# Altium PCB PCB.PcbDoc (part 2 of 3) (continued)
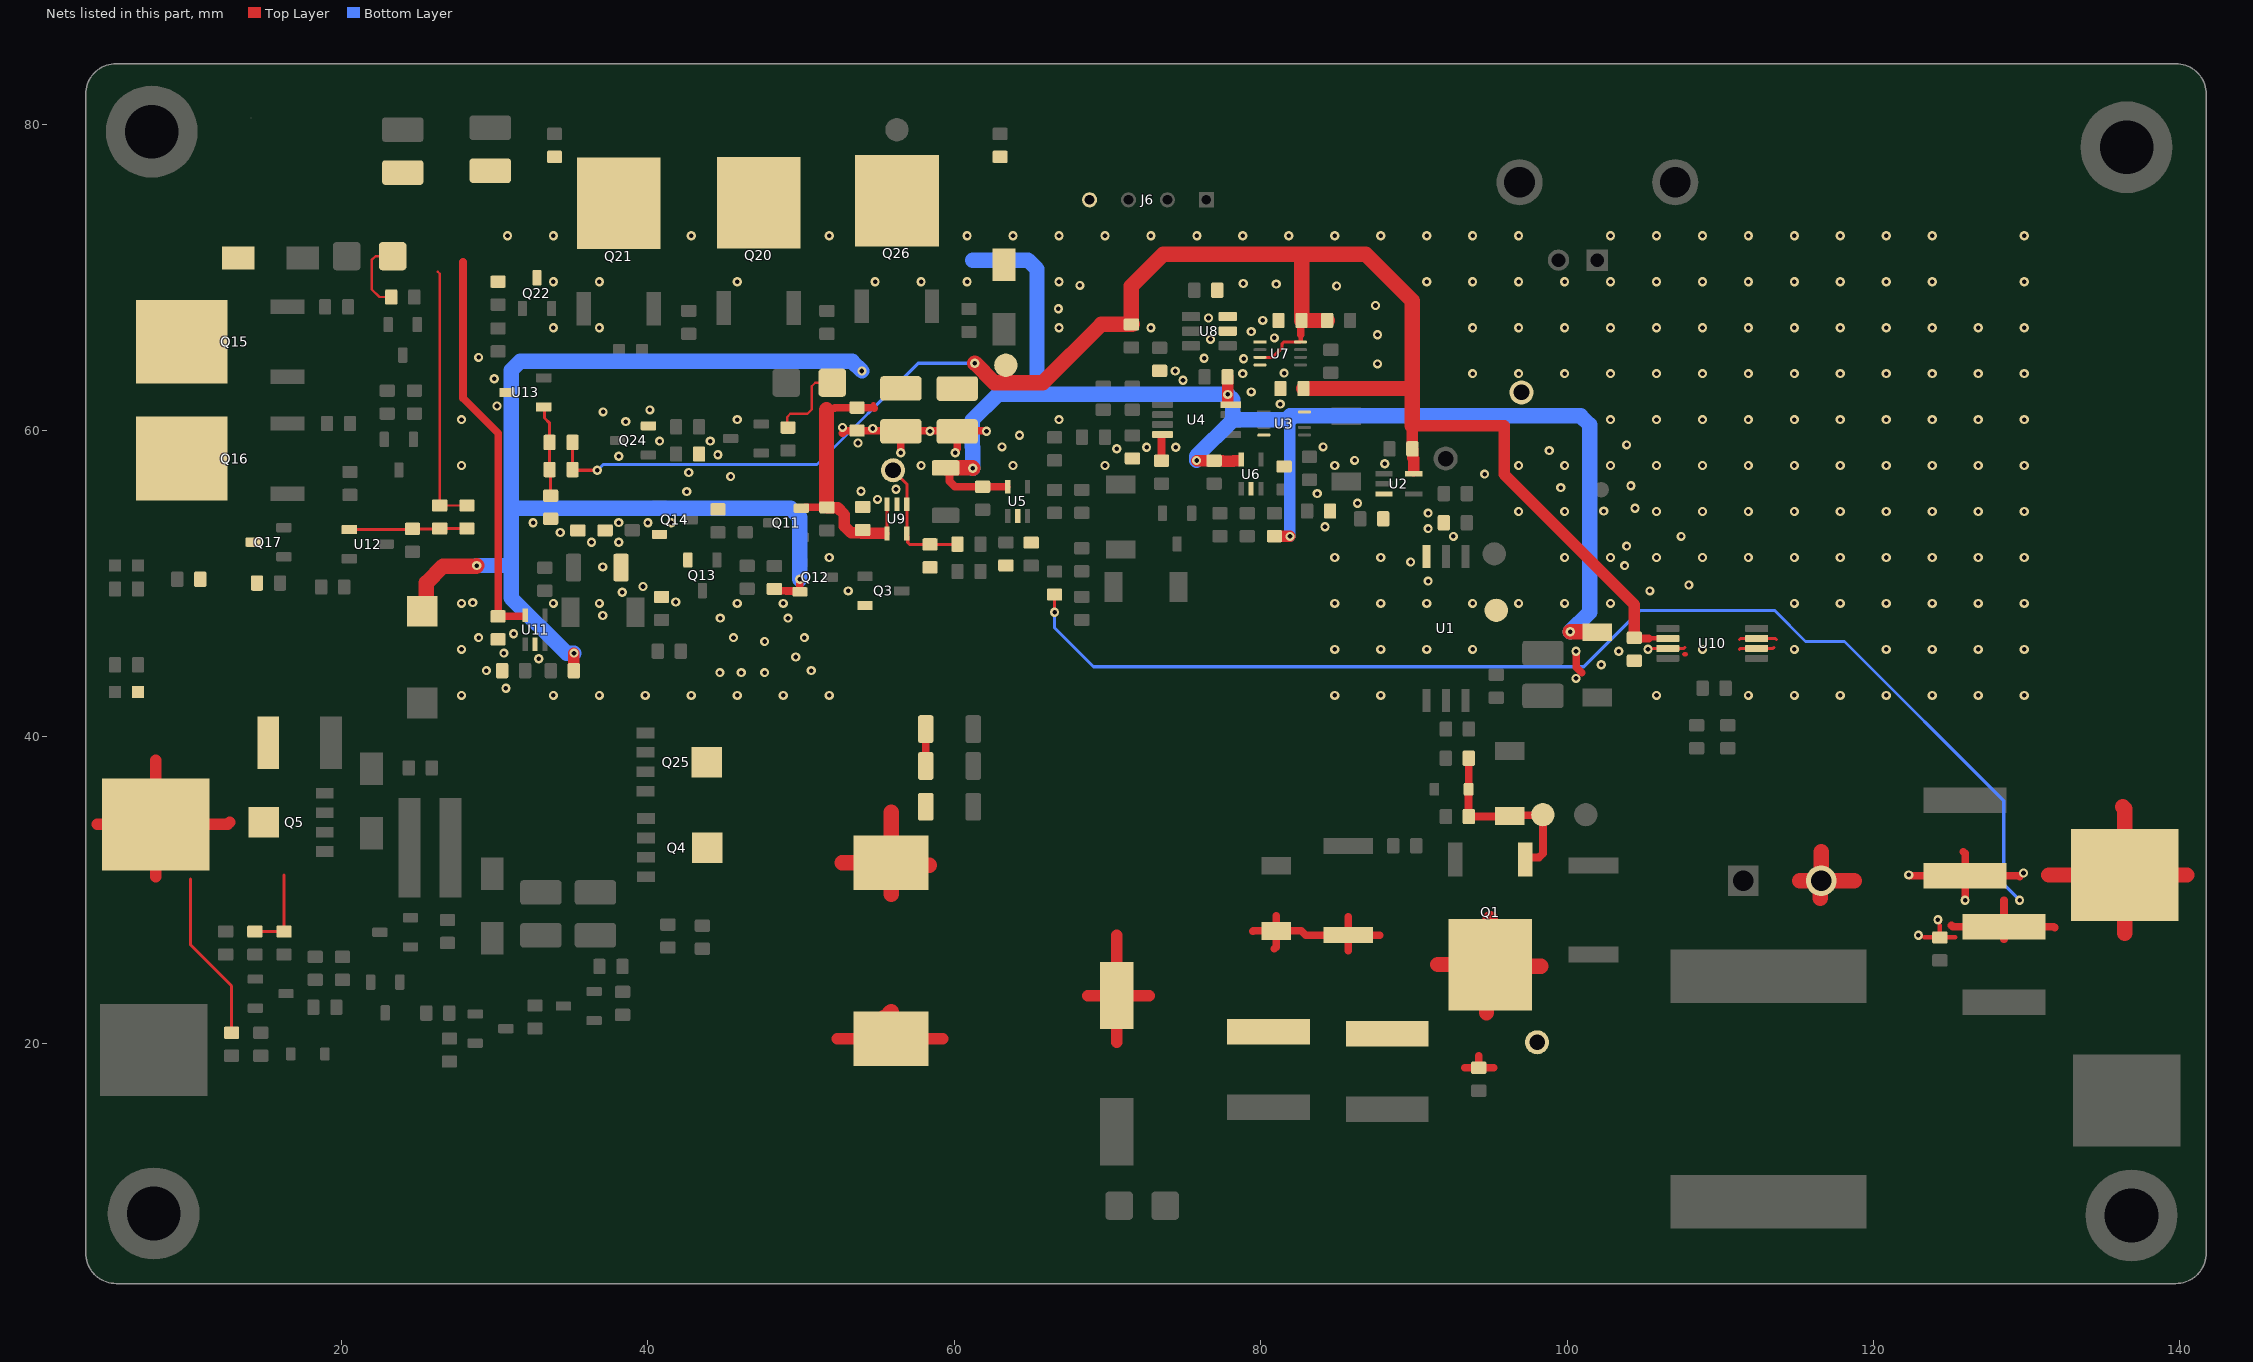
[diagram p2: the nets of this part, all layers, seen from the top]
## Part data (continued)
U9: library part "TI LM4121AIM5-ADJ/NOPB", "V-Ref Adjustable 1.214V to 1.218V 5mA 5-Pin SOT-23 T/R", Case/Package=SOT-23, Dropout Voltage=250mV, Manufacturer="Texas Instruments", Manufacturer Lifecycle Status=ACTIVE, Max Operating Temperature=85°C, Max Output current=5mA, Max Output Voltage=1.218V, Max Power Dissipation=350mW, Max Supply Voltage=14V, Min Input Voltage=1.8V, Min Operating Temperature=-40°C, Min Output Voltage=1.214V, Nominal Supply Current=160µA, Quiescent Current=275µA, Reference Voltage=1.216V, Supplier Part Number=LM4121AIM5-ADJ/NOPBCT-ND, Temperature Coefficient=50ppm/°C, Tolerance=0.2%, Category="Voltage References", ComponentLink1Description=https://sigma.octopart.com:443/177332311/technical_drawing/Texas-Instruments-LM4121AIM5-ADJ-NOPB.pdf?src-supplier=Texas+Instruments, ComponentLink1URL=https://sigma.octopart.com:443/177332311/technical_drawing/Texas-Instruments-LM4121AIM5-ADJ-NOPB.pdf?src-supplier=Texas+Instruments, ComponentLink2Description=https://octopart.com:443/opatz8j6/c1?t=Uqlvhw3r5UNVskgnFtPwbjGJjJlK3X1B1fSbI2QEnI-Np4OkcA76HJ3IuJWKhKHtlQ-3erMHexCWtvY8K7sxcXbMJzxGcNf4-0lbMrHNPNKcSVcf_HRDu_BgKirhdY5pR037YaS4xAp4W468OawEFMNydzYVYSpPXP_Azdaj40jXJAWlvghlxuApHv7n7KwlgdMCfLDHoIBUa_S80HxuD919IwpoO42cD3TF7PpdkAVR8KdunTbgTyJZZrfg6JGyV4fcnKnVlcMlFQCxYdfv5NmroBnmfAYBG7LCJcCUqSuFnahvYVbcehvvT1xAzw6Eu2VpO2ERRggFY7KBQT638zJQavwchc799vrItG-b0ZJRVVqR7xvboE-Mkmx4Y-UFvvLhqA&src-supplier=Texas+Instruments, ComponentLink2URL=https://octopart.com:443/opatz8j6/c1?t=Uqlvhw3r5UNVskgnFtPwbjGJjJlK3X1B1fSbI2QEnI-Np4OkcA76HJ3IuJWKhKHtlQ-3erMHexCWtvY8K7sxcXbMJzxGcNf4-0lbMrHNPNKcSVcf_HRDu_BgKirhdY5pR037YaS4xAp4W468OawEFMNydzYVYSpPXP_Azdaj40jXJAWlvghlxuApHv7n7KwlgdMCfLDHoIBUa_S80HxuD919IwpoO42cD3TF7PpdkAVR8KdunTbgTyJZZrfg6JGyV4fcnKnVlcMlFQCxYdfv5NmroBnmfAYBG7LCJcCUqSuFnahvYVbcehvvT1xAzw6Eu2VpO2ERRggFY7KBQT638zJQavwchc799vrItG-b0ZJRVVqR7xvboE-Mkmx4Y-UFvvLhqA&src-supplier=Texas+Instruments, ComponentLink3Description=https://sigma.octopart.com:443/175570406/technical_drawing/Texas-Instruments-LM4121AIM5-ADJ-NOPB.pdf?src-supplier=Texas+Instruments, ComponentLink3URL=https://sigma.octopart.com:443/175570406/technical_drawing/Texas-Instruments-LM4121AIM5-ADJ-NOPB.pdf?src-supplier=Texas+Instruments, ComponentLink4Description=https://sigma.octopart.com:443/169406034/technical_drawing/Texas-Instruments-LM4121AIM5-ADJ-NOPB.pdf?src-supplier=Texas+Instruments, ComponentLink4URL=https://sigma.octopart.com:443/169406034/technical_drawing/Texas-Instruments-LM4121AIM5-ADJ-NOPB.pdf?src-supplier=Texas+Instruments, ComponentLink5Description=https://sigma.octopart.com:443/155939316/technical_drawing/Texas-Instruments-LM4121AIM5-ADJ-NOPB.pdf?src-supplier=Texas+Instruments, ComponentLink5URL=https://sigma.octopart.com:443/155939316/technical_drawing/Texas-Instruments-LM4121AIM5-ADJ-NOPB.pdf?src-supplier=Texas+Instruments, ComponentLink6Description=https://sigma.octopart.com:443/102331370/technical_drawing/Texas-Instruments-LM4121AIM5-ADJ-NOPB.pdf?src-supplier=Texas+Instruments, ComponentLink6URL=https://sigma.octopart.com:443/102331370/technical_drawing/Texas-Instruments-LM4121AIM5-ADJ-NOPB.pdf?src-supplier=Texas+Instruments, ComponentLink7Description=https://sigma.octopart.com:443/49249325/technical_drawing/Texas-Instruments-LM4121AIM5-ADJ-NOPB.pdf?src-supplier=Texas+Instruments, ComponentLink7URL=https://sigma.octopart.com:443/49249325/technical_drawing/Texas-Instruments-LM4121AIM5-ADJ-NOPB.pdf?src-supplier=Texas+Instruments, ComponentLink8Description=https://datasheet.octopart.com:443/LM4121AIM5-ADJ-NOPB-Texas-Instruments-datasheet-14775671.pdf?src-supplier=Texas+Instruments, ComponentLink8URL=https://datasheet.octopart.com:443/LM4121AIM5-ADJ-NOPB-Texas-Instruments-datasheet-14775671.pdf?src-supplier=Texas+Instruments, ComponentLink9Description=https://datasheet.octopart.com:443/LM4121AIM5-ADJ/NOPB-Texas-Instruments-datasheet-10844271.pdf?src-supplier=Texas+Instruments, ComponentLink9URL=https://datasheet.octopart.com:443/LM4121AIM5-ADJ/NOPB-Texas-Instruments-datasheet-10844271.pdf?src-supplier=Texas+Instruments, ComponentLink10Description=https://datasheet.octopart.com:443/LM4121AIM5-ADJ-NOPB-Texas-Instruments-datasheet-38190892.pdf?src-supplier=Newark, ComponentLink10URL=https://datasheet.octopart.com:443/LM4121AIM5-ADJ-NOPB-Texas-Instruments-datasheet-38190892.pdf?src-supplier=Newark, ComponentLink11Description=https://datasheet.octopart.com:443/LM4121AIM5-ADJ-NOPB-Texas-Instruments-datasheet-21415343.pdf?src-supplier=Newark, ComponentLink11URL=https://datasheet.octopart.com:443/LM4121AIM5-ADJ-NOPB-Texas-Instruments-datasheet-21415343.pdf?src-supplier=Newark, ComponentLink12Description=https://datasheet.octopart.com:443/LM4121AIM5-ADJ-NOPB-Texas-Instruments-datasheet-192323770.pdf?src-supplier=HQonline, ComponentLink12URL=https://datasheet.octopart.com:443/LM4121AIM5-ADJ-NOPB-Texas-Instruments-datasheet-192323770.pdf?src-supplier=HQonline, ComponentLink13Description=https://datasheet.octopart.com:443/LM4121AIM5-ADJ-NOPB-Texas-Instruments-datasheet-10782.pdf?src-supplier=Arrow+Electronics, ComponentLink13URL=https://datasheet.octopart.com:443/LM4121AIM5-ADJ-NOPB-Texas-Instruments-datasheet-10782.pdf?src-supplier=Arrow+Electronics, ComponentLink14Description=https://datasheet.octopart.com:443/LM4121AIM5-ADJ-NOPB-Texas-Instruments-datasheet-32985724.pdf?src-supplier=Farnell, ComponentLink14URL=https://datasheet.octopart.com:443/LM4121AIM5-ADJ-NOPB-Texas-Instruments-datasheet-32985724.pdf?src-supplier=Farnell, ComponentLink15Description=https://datasheet.octopart.com:443/LM4121AIM5-ADJ-NOPB-Texas-Instruments-datasheet-164415095.pdf?src-supplier=SHENGYU+ELECTRONICS, ComponentLink15URL=https://datasheet.octopart.com:443/LM4121AIM5-ADJ-NOPB-Texas-Instruments-datasheet-164415095.pdf?src-supplier=SHENGYU+ELECTRONICS, ComponentLink16Description=http://sigma.octopart.com:80/reach_statement/Texas-Instruments-company-64.pdf?src-supplier=Compliance+Statements, ComponentLink16URL=http://sigma.octopart.com:80/reach_statement/Texas-Instruments-company-64.pdf?src-supplier=Compliance+Statements, ComponentLink17Description=http://sigma.octopart.com:80/conflict_mineral_statement/Texas-Instruments-company-63.pdf?src-supplier=Compliance+Statements, ComponentLink17URL=http://sigma.octopart.com:80/conflict_mineral_statement/Texas-Instruments-company-63.pdf?src-supplier=Compliance+Statements, Height=1.45mm, Length=2.9mm, Lifecycle Status=Production, Manufacturer Part Number=LM4121AIM5-ADJ/NOPB, Mounting Technology="Surface Mount", Number of Channels=1, Output Current=5mA, Output Voltage=1.218V, Packaging="Cut Tape", Pins=5, Pricing="1=3,77, 10=2,841, 25=2,6084, 100=2,3532, 250=2,23148, 500=2,21238 (USD)", Radiation Hardening=No, REACH SVHC=No, Reference Type="Adjustable, Series", RoHS=Compliant, Schedule B=8542390000, Stock=5328, Supplier=DigiKey, Termination=SMD/SMT, Thickness=1.2mm, Width=1.6mm
U10: library part "TI INA240A1PWR", "Op Amp Single Zero Drift Amplifier 5.5V 8-Pin TSSOP T/R", Ambient Temperature Range High=125°C, Case/Package=TSSOP, Input Bias Current=90µA, Input Offset Voltage (Vos)=5µV, Manufacturer="Texas Instruments", Manufacturer Lifecycle Status=ACTIVE, Max Junction Temperature (Tj)=150°C, Max Supply Voltage=5.5V, Min Operating Temperature=-40°C, Min Supply Voltage=2.7V, Nominal Supply Current=1.8mA, Bandwidth=400kHz, Category="Amplifiers - Op Amps, Buffer, Instrumentation", ComponentLink1Description=https://octopart.com:443/opatz8j6/c1?t=6b5ds5zphu4iqUhGNAPiVHzmQf_HL7e1E5UT2beWP4N2AUke_jOvonAQg0R4M0fKF8_rOW3PQdhUTq9RbFr9x0koj0vt9WEXvQIr2Xb8W6mrYAbRTeGV92QdBvy7W47PufrnRYDulXaXNo6SzTOmflcuzpg__6qv2Cnz6zhuL4qfO7rFJ3GiUIC-sSgXLYJxZFQl6eX-9KFvOiRir4o1IB0ufZchFYOXq5pnhEqDmivBzqZyEXrKsef3SNQzWVhfEPUQ_HYUNfeqlLpMriLHn-U6iJiVIypTpS419iyJOhV020lbUEaR7jMQnHtQpCB4MuonRBeDH0zcF8XPK3nYA9RAaNVtgVJQ_IBr8E6FLEFkoip-xrFWLKqSqo7VXkO8ZHfHXQ&src-supplier=Texas+Instruments, ComponentLink1URL=https://octopart.com:443/opatz8j6/c1?t=6b5ds5zphu4iqUhGNAPiVHzmQf_HL7e1E5UT2beWP4N2AUke_jOvonAQg0R4M0fKF8_rOW3PQdhUTq9RbFr9x0koj0vt9WEXvQIr2Xb8W6mrYAbRTeGV92QdBvy7W47PufrnRYDulXaXNo6SzTOmflcuzpg__6qv2Cnz6zhuL4qfO7rFJ3GiUIC-sSgXLYJxZFQl6eX-9KFvOiRir4o1IB0ufZchFYOXq5pnhEqDmivBzqZyEXrKsef3SNQzWVhfEPUQ_HYUNfeqlLpMriLHn-U6iJiVIypTpS419iyJOhV020lbUEaR7jMQnHtQpCB4MuonRBeDH0zcF8XPK3nYA9RAaNVtgVJQ_IBr8E6FLEFkoip-xrFWLKqSqo7VXkO8ZHfHXQ&src-supplier=Texas+Instruments, ComponentLink2Description=https://sigma.octopart.com:443/49250270/technical_drawing/Texas-Instruments-INA240A1PWR.pdf?src-supplier=Texas+Instruments, ComponentLink2URL=https://sigma.octopart.com:443/49250270/technical_drawing/Texas-Instruments-INA240A1PWR.pdf?src-supplier=Texas+Instruments, ComponentLink3Description=https://datasheet.octopart.com:443/INA240A1PWR-Texas-Instruments-datasheet-100480378.pdf?src-supplier=Newark, ComponentLink3URL=https://datasheet.octopart.com:443/INA240A1PWR-Texas-Instruments-datasheet-100480378.pdf?src-supplier=Newark, ComponentLink4Description=https://datasheet.octopart.com:443/INA240A1PWR-Texas-Instruments-datasheet-68439366.pdf?src-supplier=element14+APAC, ComponentLink4URL=https://datasheet.octopart.com:443/INA240A1PWR-Texas-Instruments-datasheet-68439366.pdf?src-supplier=element14+APAC, ComponentLink5Description=https://datasheet.octopart.com:443/INA240A1PWR-Texas-Instruments-datasheet-165803933.pdf?src-supplier=LCSC, ComponentLink5URL=https://datasheet.octopart.com:443/INA240A1PWR-Texas-Instruments-datasheet-165803933.pdf?src-supplier=LCSC, ComponentLink6Description=https://datasheet.octopart.com:443/INA240A1PWR-Texas-Instruments-datasheet-160706886.pdf?src-supplier=LCSC, ComponentLink6URL=https://datasheet.octopart.com:443/INA240A1PWR-Texas-Instruments-datasheet-160706886.pdf?src-supplier=LCSC, ComponentLink7Description=https://datasheet.octopart.com:443/INA240A1PWR-Texas-Instruments-datasheet-147851276.pdf?src-supplier=SHENGYU+ELECTRONICS, ComponentLink7URL=https://datasheet.octopart.com:443/INA240A1PWR-Texas-Instruments-datasheet-147851276.pdf?src-supplier=SHENGYU+ELECTRONICS, ComponentLink8Description=https://datasheet.octopart.com:443/INA240A1PWR-Texas-Instruments-datasheet-140571434.pdf?src-supplier=Arrow.cn, ComponentLink8URL=https://datasheet.octopart.com:443/INA240A1PWR-Texas-Instruments-datasheet-140571434.pdf?src-supplier=Arrow.cn, ComponentLink9Description=http://sigma.octopart.com:80/reach_statement/Texas-Instruments-company-64.pdf?src-supplier=Compliance+Statements, ComponentLink9URL=http://sigma.octopart.com:80/reach_statement/Texas-Instruments-company-64.pdf?src-supplier=Compliance+Statements, ComponentLink10Description=http://sigma.octopart.com:80/conflict_mineral_statement/Texas-Instruments-company-63.pdf?src-supplier=Compliance+Statements, ComponentLink10URL=http://sigma.octopart.com:80/conflict_mineral_statement/Texas-Instruments-company-63.pdf?src-supplier=Compliance+Statements, Height=1.2mm, Lead Free="Lead Free", Length=3mm, Lifecycle Status=Production, Manufacturer Part Number=INA240A1PWR, Max Operating Temperature=125°C, Number of Channels=1, Packaging="Cut Tape", Pins=8, Pricing="1=3,1221, 10=2,403, 25=2,2062, 100=1,9491, 250=1,84 (USD)", RoHS=Compliant, Schedule B="8542390000, 8542390000|8542390000|8542390000|8542390000|8542390000", Stock=449, Supplier="Arrow Electronics", Supplier Part Number=INA240A1PWR, Thickness=1mm, Width=4.4mm
U12 U13: library part "TI TL431IDBZR", "V-Ref Adjustable 2.495V to 36V 100mA Automotive 3-Pin SOT-23 T/R", Case/Package=SOT-23, Cathode Current=1mA, Manufacturer="Texas Instruments", Manufacturer Lifecycle Status=ACTIVE, Max Operating Temperature=85°C, Max Output current=100mA, Max Output Voltage=36V, Max Supply Voltage=37V, Min Input Voltage=2.495V, Min Operating Temperature=-40°C, Temperature Coefficient=34ppm/°C, Tolerance=2%, Category="Voltage References", ComponentLink1Description=https://sigma.octopart.com:443/179129137/technical_drawing/Texas-Instruments-TL431IDBZR.pdf?src-supplier=Texas+Instruments, ComponentLink1URL=https://sigma.octopart.com:443/179129137/technical_drawing/Texas-Instruments-TL431IDBZR.pdf?src-supplier=Texas+Instruments, ComponentLink2Description=https://octopart.com:443/opatz8j6/c1?t=rW6bIrba_jbvmB_uabgQ4DHQ_8bXebmw5n36TFgajg_cM10sTUMOa3c0_aROWTzNuODAPxgdzkUCyLMyjqW5ECfNLnsPaaELSSqte_UXEwTAXn63sCq0zOIbeu3rbiILGc0xAKExe2TPYtg5Ms4ml5aZB-hP2d9WeynMm8uqMp-0nIZVL-dEP5eqV8i1QpquQEXyisrE4V8pFSHbvg01nxHcb9gAO0LAPA1OgW6fj5N8dHmskhhoOlj6gaEdyF9jXEJmJUbnrXDzuao32M8w1z1jkibRnCgcbwk3b-Z8PYiflKC4Jzxffmw6AAaWjNeE2_Iqkn9MenYhHERA89N4870fEFKw1TPybVjTNvPhj-8IMEBDTyhXkE4nZuLn3P6NpQ&src-supplier=Texas+Instruments, ComponentLink2URL=https://octopart.com:443/opatz8j6/c1?t=rW6bIrba_jbvmB_uabgQ4DHQ_8bXebmw5n36TFgajg_cM10sTUMOa3c0_aROWTzNuODAPxgdzkUCyLMyjqW5ECfNLnsPaaELSSqte_UXEwTAXn63sCq0zOIbeu3rbiILGc0xAKExe2TPYtg5Ms4ml5aZB-hP2d9WeynMm8uqMp-0nIZVL-dEP5eqV8i1QpquQEXyisrE4V8pFSHbvg01nxHcb9gAO0LAPA1OgW6fj5N8dHmskhhoOlj6gaEdyF9jXEJmJUbnrXDzuao32M8w1z1jkibRnCgcbwk3b-Z8PYiflKC4Jzxffmw6AAaWjNeE2_Iqkn9MenYhHERA89N4870fEFKw1TPybVjTNvPhj-8IMEBDTyhXkE4nZuLn3P6NpQ&src-supplier=Texas+Instruments, ComponentLink3Description=https://sigma.octopart.com:443/169406038/technical_drawing/Texas-Instruments-TL431IDBZR.pdf?src-supplier=Texas+Instruments, ComponentLink3URL=https://sigma.octopart.com:443/169406038/technical_drawing/Texas-Instruments-TL431IDBZR.pdf?src-supplier=Texas+Instruments, ComponentLink4Description=https://sigma.octopart.com:443/80351974/technical_drawing/Texas-Instruments-TL431IDBZR.pdf?src-supplier=Texas+Instruments, ComponentLink4URL=https://sigma.octopart.com:443/80351974/technical_drawing/Texas-Instruments-TL431IDBZR.pdf?src-supplier=Texas+Instruments, ComponentLink5Description=https://sigma.octopart.com:443/78374974/technical_drawing/Texas-Instruments-TL431IDBZR.pdf?src-supplier=Texas+Instruments, ComponentLink5URL=https://sigma.octopart.com:443/78374974/technical_drawing/Texas-Instruments-TL431IDBZR.pdf?src-supplier=Texas+Instruments, ComponentLink6Description=https://datasheet.octopart.com:443/TL431IDBZR-Texas-Instruments-datasheet-41217836.pdf?src-supplier=Texas+Instruments, ComponentLink6URL=https://datasheet.octopart.com:443/TL431IDBZR-Texas-Instruments-datasheet-41217836.pdf?src-supplier=Texas+Instruments, ComponentLink7Description=https://datasheet.octopart.com:443/TL431IDBZR-Texas-Instruments-datasheet-37140784.pdf?src-supplier=Texas+Instruments, ComponentLink7URL=https://datasheet.octopart.com:443/TL431IDBZR-Texas-Instruments-datasheet-37140784.pdf?src-supplier=Texas+Instruments, ComponentLink8Description=https://datasheet.octopart.com:443/TL431IDBZR-Texas-Instruments-datasheet-22066926.pdf?src-supplier=Texas+Instruments, ComponentLink8URL=https://datasheet.octopart.com:443/TL431IDBZR-Texas-Instruments-datasheet-22066926.pdf?src-supplier=Texas+Instruments, ComponentLink9Description=https://datasheet.octopart.com:443/TL431IDBZR-Texas-Instruments-datasheet-11514612.pdf?src-supplier=Texas+Instruments, ComponentLink9URL=https://datasheet.octopart.com:443/TL431IDBZR-Texas-Instruments-datasheet-11514612.pdf?src-supplier=Texas+Instruments, ComponentLink10Description=https://datasheet.octopart.com:443/TL431IDBZR-Texas-Instruments-datasheet-149617.pdf?src-supplier=Texas+Instruments, ComponentLink10URL=https://datasheet.octopart.com:443/TL431IDBZR-Texas-Instruments-datasheet-149617.pdf?src-supplier=Texas+Instruments, ComponentLink11Description=https://sigma.octopart.com:443/49250660/technical_drawing/Texas-Instruments-TL431IDBZR.pdf?src-supplier=Texas+Instruments, ComponentLink11URL=https://sigma.octopart.com:443/49250660/technical_drawing/Texas-Instruments-TL431IDBZR.pdf?src-supplier=Texas+Instruments, ComponentLink12Description=https://datasheet.octopart.com:443/TL431IDBZR-Texas-Instruments-datasheet-10255933.pdf?src-supplier=Texas+Instruments, ComponentLink12URL=https://datasheet.octopart.com:443/TL431IDBZR-Texas-Instruments-datasheet-10255933.pdf?src-supplier=Texas+Instruments, ComponentLink13Description=https://datasheet.octopart.com:443/TL431IDBZR-Texas-Instruments-datasheet-81843928.pdf?src-supplier=Upverter, ComponentLink13URL=https://datasheet.octopart.com:443/TL431IDBZR-Texas-Instruments-datasheet-81843928.pdf?src-supplier=Upverter, ComponentLink14Description=https://datasheet.octopart.com:443/TL431IDBZR-Texas-Instruments-datasheet-14437413.pdf?src-supplier=Upverter, ComponentLink14URL=https://datasheet.octopart.com:443/TL431IDBZR-Texas-Instruments-datasheet-14437413.pdf?src-supplier=Upverter, ComponentLink15Description=https://datasheet.octopart.com:443/TL431IDBZR-Texas-Instruments-datasheet-66581701.pdf?src-supplier=Farnell, ComponentLink15URL=https://datasheet.octopart.com:443/TL431IDBZR-Texas-Instruments-datasheet-66581701.pdf?src-supplier=Farnell, ComponentLink16Description=https://datasheet.octopart.com:443/TL431IDBZR-Texas-Instruments-datasheet-165804567.pdf?src-supplier=LCSC, ComponentLink16URL=https://datasheet.octopart.com:443/TL431IDBZR-Texas-Instruments-datasheet-165804567.pdf?src-supplier=LCSC, ComponentLink17Description=https://datasheet.octopart.com:443/TL431IDBZR-Texas-Instruments-datasheet-159117715.pdf?src-supplier=LCSC, ComponentLink17URL=https://datasheet.octopart.com:443/TL431IDBZR-Texas-Instruments-datasheet-159117715.pdf?src-supplier=LCSC, ComponentLink18Description=https://datasheet.octopart.com:443/TL431IDBZR-Texas-Instruments-datasheet-164418451.pdf?src-supplier=SHENGYU+ELECTRONICS, ComponentLink18URL=https://datasheet.octopart.com:443/TL431IDBZR-Texas-Instruments-datasheet-164418451.pdf?src-supplier=SHENGYU+ELECTRONICS, ComponentLink19Description=https://datasheet.octopart.com:443/TL431IDBZR-Texas-Instruments-datasheet-95954503.pdf?src-supplier=TME, ComponentLink19URL=https://datasheet.octopart.com:443/TL431IDBZR-Texas-Instruments-datasheet-95954503.pdf?src-supplier=TME, ComponentLink20Description=https://datasheet.octopart.com:443/TL431IDBZR-Texas-Instruments-datasheet-137316104.pdf?src-supplier=Future+Electronics, ComponentLink20URL=https://datasheet.octopart.com:443/TL431IDBZR-Texas-Instruments-datasheet-137316104.pdf?src-supplier=Future+Electronics, ComponentLink21Description=https://datasheet.octopart.com:443/TL431IDBZR-Texas-Instruments-datasheet-38226331.pdf?src-supplier=Newark, ComponentLink21URL=https://datasheet.octopart.com:443/TL431IDBZR-Texas-Instruments-datasheet-38226331.pdf?src-supplier=Newark, ComponentLink22Description=https://datasheet.octopart.com:443/TL431IDBZR-Texas-Instruments-datasheet-37140351.pdf?src-supplier=Newark, ComponentLink22URL=https://datasheet.octopart.com:443/TL431IDBZR-Texas-Instruments-datasheet-37140351.pdf?src-supplier=Newark, ComponentLink23Description=https://datasheet.octopart.com:443/TL431IDBZR-Texas-Instruments-datasheet-33011757.pdf?src-supplier=Newark, ComponentLink23URL=https://datasheet.octopart.com:443/TL431IDBZR-Texas-Instruments-datasheet-33011757.pdf?src-supplier=Newark, ComponentLink24Description=https://datasheet.octopart.com:443/TL431IDBZR-Texas-Instruments-datasheet-10882568.pdf?src-supplier=Arrow+Electronics, ComponentLink24URL=https://datasheet.octopart.com:443/TL431IDBZR-Texas-Instruments-datasheet-10882568.pdf?src-supplier=Arrow+Electronics, ComponentLink25Description=https://datasheet.octopart.com:443/TL431IDBZR-Texas-Instruments-datasheet-10218417.pdf?src-supplier=element14, ComponentLink25URL=https://datasheet.octopart.com:443/TL431IDBZR-Texas-Instruments-datasheet-10218417.pdf?src-supplier=element14, ComponentLink26Description=https://datasheet.octopart.com:443/TL431IDBZR-Texas-Instruments-datasheet-10027895.pdf?src-supplier=element14, ComponentLink26URL=https://datasheet.octopart.com:443/TL431IDBZR-Texas-Instruments-datasheet-10027895.pdf?src-supplier=element14, ComponentLink27Description=https://datasheet.octopart.com:443/TL431IDBZR-Texas-Instruments-datasheet-8886313.pdf?src-supplier=element14, ComponentLink27URL=https://datasheet.octopart.com:443/TL431IDBZR-Texas-Instruments-datasheet-8886313.pdf?src-supplier=element14, ComponentLink28Description=https://datasheet.octopart.com:443/TL431IDBZR-Texas-Instruments-datasheet-8826676.pdf?src-supplier=element14, ComponentLink28URL=https://datasheet.octopart.com:443/TL431IDBZR-Texas-Instruments-datasheet-8826676.pdf?src-supplier=element14, ComponentLink29Description=https://datasheet.octopart.com:443/TL431IDBZR-Texas-Instruments-datasheet-8735770.pdf?src-supplier=element14, ComponentLink29URL=https://datasheet.octopart.com:443/TL431IDBZR-Texas-Instruments-datasheet-8735770.pdf?src-supplier=element14, ComponentLink30Description=https://datasheet.octopart.com:443/TL431IDBZR-Texas-Instruments-datasheet-8724803.pdf?src-supplier=element14, ComponentLink30URL=https://datasheet.octopart.com:443/TL431IDBZR-Texas-Instruments-datasheet-8724803.pdf?src-supplier=element14, ComponentLink31Description=https://datasheet.octopart.com:443/TL431IDBZR-Texas-Instruments-datasheet-8463480.pdf?src-supplier=element14, ComponentLink31URL=https://datasheet.octopart.com:443/TL431IDBZR-Texas-Instruments-datasheet-8463480.pdf?src-supplier=element14, ComponentLink32Description=https://datasheet.octopart.com:443/TL431IDBZR-Texas-Instruments-datasheet-7546206.pdf?src-supplier=element14, ComponentLink32URL=https://datasheet.octopart.com:443/TL431IDBZR-Texas-Instruments-datasheet-7546206.pdf?src-supplier=element14, ComponentLink33Description=https://datasheet.octopart.com:443/TL431IDBZR-Texas-Instruments-datasheet-5314698.pdf?src-supplier=element14, ComponentLink33URL=https://datasheet.octopart.com:443/TL431IDBZR-Texas-Instruments-datasheet-5314698.pdf?src-supplier=element14, ComponentLink34Description=https://datasheet.octopart.com:443/TL431IDBZR-Texas-Instruments-datasheet-8441549.pdf?src-supplier=Jameco, ComponentLink34URL=https://datasheet.octopart.com:443/TL431IDBZR-Texas-Instruments-datasheet-8441549.pdf?src-supplier=Jameco, ComponentLink35Description=https://datasheet.octopart.com:443/TL431IDBZR-Texas-Instruments-datasheet-153618.pdf?src-supplier=Mouser, ComponentLink35URL=https://datasheet.octopart.com:443/TL431IDBZR-Texas-Instruments-datasheet-153618.pdf?src-supplier=Mouser, ComponentLink36Description=https://datasheet.octopart.com:443/TL431IDBZR-Texas-Instruments-datasheet-3065.pdf?src-supplier=DigiKey, ComponentLink36URL=https://datasheet.octopart.com:443/TL431IDBZR-Texas-Instruments-datasheet-3065.pdf?src-supplier=DigiKey, ComponentLink37Description=https://datasheet.octopart.com:443/TL431IDBZR-Texas-Instruments-datasheet-112754.pdf?src-supplier=Sierra+IC, ComponentLink37URL=https://datasheet.octopart.com:443/TL431IDBZR-Texas-Instruments-datasheet-112754.pdf?src-supplier=Sierra+IC, ComponentLink38Description=http://sigma.octopart.com:80/reach_statement/Texas-Instruments-company-64.pdf?src-supplier=Compliance+Statements, ComponentLink38URL=http://sigma.octopart.com:80/reach_statement/Texas-Instruments-company-64.pdf?src-supplier=Compliance+Statements, ComponentLink39Description=http://sigma.octopart.com:80/conflict_mineral_statement/Texas-Instruments-company-63.pdf?src-supplier=Compliance+Statements, ComponentLink39URL=http://sigma.octopart.com:80/conflict_mineral_statement/Texas-Instruments-company-63.pdf?src-supplier=Compliance+Statements, Height=1.22mm, Lead Free="Lead Free", Length=2.92mm, Lifecycle Status=Production, Manufacturer Part Number=TL431IDBZR, Number of Channels=1, Output Current=100mA, Output Voltage=36V, Packaging="Cut Tape", Pins=3, Pricing="3000=0,0918, 6000=0,0907, 9000=0,0882, 15000=0,0874, 21000=0,0865, 30000=0,0823 (USD)", Radiation Hardening=No, REACH SVHC=No, Reference Type="Adjustable, Shunt", Reference Voltage=36V, RoHS=Compliant, Schedule B="8542390000, 8542390000|8542390000|8542390000|8542390000|8542390000", Stock=51000, Supplier="Arrow Electronics", Supplier Part Number=TL431IDBZR, Thickness=1mm, Weight=1.437803g, Width=1.3mm

## Free pads (board coordinates)
  round 1.524 smd: 2(98.425,34.925) 2(101.219,34.925) 5(56.261,79.629) 5(63.373,64.262) 5(95.25,51.943) 5(95.377,48.26)
  round 1 smd: 2(102.235,56.134)

## Via types
v1: diameter 0.6, hole 0.3, Top Layer to Bottom Layer, tented both sides, 757 vias

## Nets (pads, with @x,y where several pads share a name; then routed paths per layer and width w, separated by ;. In a path a pad name is that pad's centre, name@x,y a point inside that pad or via, vN(x,y) a via of type N, cw(c..) or ccw(c..) an arc to the next point about the centre after c; other vN are vias at no path point)
+1V216: C25.2 R15.2 TP4.1 U9.1 U9.5 | length 8.3
  Top Layer w0.2: TP4.1@56.007,57.404 56.911,56.5 U9.1@56.911,55.179 U9.5@56.911,53.279 ; U9.5@56.911,53.152 56.964,53.099 56.964,52.683 57.082,52.566 C25.2@58.42,52.566 60.198,52.566 R15.2@60.21,52.578
+12V: C15.1 C16.2 C18.2 C35.2 C38.2 C40.2 C43.2 C44.2 C45.2 C46.2 D3.A D14.C Q20.2 Q21.2 Q22.3 Q26.2 R8.1 R57.2 R58.2 R60.2 R72.2 U4.8 U5.5 U6.5 U11.5 | length 145.1
  Top Layer w0.15: R60.2@23.253,68.707 22.479,68.707 21.971,69.215 21.971,71.12 22.225,71.374 R57.2@23.344,71.374 ; 26.289,70.358 26.416,70.231 C40.2@26.416,55.106 R58.2@28.194,55.106
  Top Layer w0.5: 27.94,70.993 27.94,62.103 30.226,59.817 C38.2@30.226,47.867 U11.5@31.914,47.867 ; C15.1@59.436,57.557 59.44,57.557 59.69,57.307 59.69,56.681 60.049,56.322 U5.5@63.41,56.322
  Top Layer w0.75: v1(75.819,58.039) 76.95,58.039 C18.2@76.962,58.027 ; C18.2@77.343,58.027 77.51,58.027 77.549,57.988 78.213,57.988 78.25,58.025 78.525,58.025 ; C35.2@77.839,63.5 77.851,63.488 v1(77.851,62.357) 77.851,61.976 ; R8.1@80.899,53.098 80.911,53.086 v1(81.915,53.086)
  Top Layer w1: C15.1@59.44,57.557 61.188,57.557 v1(61.214,57.531) ; v1(100.203,46.863) 101.947,46.863 D3.A@101.981,46.829
  Bottom Layer w0.75: v1(81.915,53.086) 81.915,60.96
  Bottom Layer w1: v1(61.214,57.531) 61.214,58.91 61.176,58.948 61.176,60.668 62.865,62.357 65.405,62.357 ; 61.214,71.12 64.819,71.12 65.405,70.534 65.405,62.357 ; v1(75.819,58.039) 75.819,58.322 78.188,60.691 ; 81.915,60.691 78.188,60.691 ; 81.915,60.96 100.887,60.96 101.473,60.374 101.473,48.133 v1(100.203,46.863) ; 65.405,62.357 v1(77.851,62.357) 78.188,62.02 78.188,60.691
  other v1: 33.838,69.711 36.838,69.711 45.838,69.711 54.838,69.711 57.838,69.711 60.838,69.711 30.838,72.711 33.838,72.711 42.838,72.711 51.838,72.711 60.838,72.711 63.838,72.711
+24V: C31.2 C42.2 D13.C J1.1 Q5.MB Q15.2 Q16.2 Q17.3 R36.2 R40.2 R41.2 R61.2 | length 33.1
  Top Layer w0.2: 10.16,30.734 10.16,26.416 12.827,23.749 R40.2@12.827,20.689 ; R41.2@14.351,27.293 R36.2@16.256,27.293 16.256,30.988
  Top Layer w0.75: 4.054,34.29 J1.1@7.874,34.29 ; 7.874,30.861 J1.1@7.874,34.29 ; 7.874,38.481 J1.1@7.874,34.29 ; 12.698,34.417 12.571,34.29 J1.1@7.874,34.29
+24V_Buck: C2.2 C3.2 C4.2 C30.1 D1.A L2.2 Q1.2 R3.1 TP1.1 | length 47.6
  Top Layer w0.5: 79.502,27.305 79.536,27.339 D1.A@81.026,27.339 ; 80.899,26.162 81.026,26.289 D1.A@81.026,27.339 ; 81.026,28.321 D1.A@81.026,27.339 ; R3.1@85.702,27.049 82.933,27.049 82.643,27.339 D1.A@81.026,27.339 ; 85.725,26.035 R3.1@85.725,27.072 ; 85.725,28.254 R3.1@85.725,27.072 ; 87.757,27.051 85.746,27.051 R3.1@85.725,27.072 ; 93.335,18.403 95.216,18.403 ; C4.2@94.234,18.657 94.234,19.177
  Top Layer w0.75: 52.364,20.285 L2.2@55.499,20.285 ; L2.2@55.372,21.809 55.499,21.682 L2.2@55.499,20.285 ; 59.244,20.285 L2.2@55.499,20.285 ; 68.712,23.119 70.866,23.119 72.724,23.119 ; 70.612,20.066 70.612,27.062
  Top Layer w1: L2.2@55.499,21.682 55.88,22.063 ; 91.567,25.146 94.971,25.146 Q1.2@94.996,25.121 ; 94.742,21.996 Q1.2@94.742,24.613 ; 94.996,28.141 Q1.2@94.996,25.121 ; 98.298,25.019 95.098,25.019 Q1.2@94.996,25.121
+24V_IF: C29.2 C33.2 C34.2 L2.1 Q4.MB Q25.MB | length 13.5
  Top Layer w0.5: C34.2@58.14,38.1 C33.2@58.14,40.513
  Top Layer w1: 52.676,31.785 L2.1@55.88,31.785 ; 55.88,29.718 L2.1@55.88,31.785 ; 55.88,35.082 L2.1@55.88,31.785 ; 58.38,31.623 56.042,31.623 L2.1@55.88,31.785
-7V: C19.2 C21.2 C24.2 C27.2 C47.2 C48.2 C49.2 C50.2 C52.2 C53.2 pad.5@63.373,64.262 Q11.2 Q12.2 R19.2 R20.1 R35.2 R48.2 R68.1 R70.2 R71.2 SW1.1 U2.5 U3.8 U7.3 U7.8 U9.3 U9.4 U10.6 | length 221.6
  Top Layer w0.15: R70.2@49.149,60.186 49.096,60.239 49.096,60.882 49.301,61.087 50.419,61.087 50.696,61.364 50.696,62.888 50.927,63.119 R68.1@52.046,63.119
  Top Layer w0.2: R71.2@35.089,59.223 C47.2@35.089,57.445 35.13,57.404 v1(36.703,57.404) ; U9.4@55.611,53.279 U9.3@55.611,55.179 ; U7.3@79.954,64.774 80.776,64.774 81.407,65.405 81.407,65.666 81.524,65.783 U7.8@82.606,65.783
  Top Layer w0.3: 54.725,61.71 54.737,61.722 ; U7.8@82.622,65.826 82.622,66.251 ; 105.333,46.42 105.339,46.426 U10.6@106.574,46.426
  Top Layer w0.5: R48.2@48.26,49.657 48.387,49.53 49.022,49.53 49.033,49.519 49.877,49.519 Q12.2@49.919,49.477 ; v1(49.911,50.292) 49.919,50.284 Q12.2@49.919,49.477 ; Q12.2@49.927,49.469 Q12.2@49.919,49.477 ; Q11.2@50.063,54.966 Q11.2@50.022,54.925 50.222,54.925 50.276,54.979 C52.2@51.689,54.979 ; 52.197,61.468 52.22,61.491 C48.2@53.657,61.491 54.725,61.491 54.772,61.445 ; 53.187,53.314 53.271,53.314 ; 82.62,66.253 82.62,67.138 C21.2@82.665,67.183 ; C27.2@104.394,46.47 104.444,46.42 105.333,46.42
  Top Layer w0.75: R35.2@35.167,44.323 35.179,44.335 v1(35.179,45.466) ; C52.2@51.689,54.979 51.714,54.954 52.393,54.954 52.832,54.515 52.832,53.753 53.271,53.314 53.937,53.314 53.962,53.289 55.411,53.289 ; 89.996,57.373 89.996,58.161 89.929,58.228 89.929,58.776 C53.2@89.904,58.801 89.904,60.313 95.885,60.313 95.885,57.15 104.394,48.641 C27.2@104.394,46.47
  Top Layer w1: SW1.1@25.273,48.212 25.548,48.487 25.548,50.059 26.632,51.143 28.791,51.143 v1(28.829,51.181) ; C52.2@51.665,55.174 51.665,61.343 ; v1(61.341,64.389) 62.611,63.119 65.786,63.119 69.596,66.929 R20.1@71.616,66.929 ; R20.1@71.559,66.986 71.559,69.427 73.633,71.501 86.868,71.501 89.904,68.465 89.904,62.738 ; 82.677,70.915 C21.2@82.677,67.183 ; C19.2@82.792,62.738 89.904,62.738 ; R19.2@84.34,67.183 C21.2@82.677,67.183 ; 89.904,60.313 89.904,62.738 ; C21.2@82.677,67.183 82.677,67.171 C21.2@82.665,67.183 C21.2@82.677,67.183
  Bottom Layer w0.2: v1(36.703,57.404) 37.084,57.785 51.037,57.785 57.641,64.389 v1(61.341,64.389)
  Bottom Layer w1: v1(28.829,51.181) 31.083,51.181 ; v1(35.179,45.466) 34.69,45.466 31.083,49.073 31.083,51.181 ; v1(49.911,50.292) 49.911,54.329 49.325,54.915 31.083,54.915 ; v1(53.975,63.881) 53.34,64.516 31.668,64.516 31.083,63.93 31.083,54.915 ; 31.083,51.181 31.083,54.915
-12V: C5.2 C6.2 C7.2 C13.1 C14.1 C17.2 C19.1 C20.2 C21.1 C22.1 C24.1 C25.1 C27.1 C36.1 C37.1 C38.1 C39.1 C41.2 C48.1 C49.1 C50.1 C51.1 C54.2 D2.2 D16.K J2.1 J6.4 pad.5@95.377,48.26 Q3.1 Q13.2 Q14.2 Q24.2 R1.2 R12.2 R21.1 R43.1 R52.1 R54.1 R75.1 R76.1 TP3.1 U1.3 U2.3 U3.4 U4.4 U5.2 U6.2 U7.1 U7.4 U8.2 U8.3 U9.2 U10.2 U10.3 U10.7 U11.2 U13.3 | length 147.8
  Top Layer w0.2: v1(66.548,48.133) R1.2@66.548,49.288 ; v1@105.476,45.771 105.481,45.776 U10.7@106.574,45.776 107.625,45.776 107.696,45.847 ; 111.252,45.72 111.308,45.776 U10.2@112.374,45.776 113.446,45.776 113.494,45.824 ; 111.252,46.355 111.323,46.426 U10.3@112.374,46.426 113.594,46.426 113.665,46.355
  Top Layer w0.3: 107.664,45.404 107.746,45.404 ; 123.317,26.924 123.329,26.912 C5.2@124.333,26.912 ; 124.333,27.686 C5.2@124.333,26.912 ; 125.349,26.924 125.337,26.912 C5.2@124.333,26.912
  Top Layer w0.5: 52.705,59.817 52.87,59.982 53.648,59.982 C48.1@53.657,59.991 62.028,59.991 62.076,59.944 v1(62.103,59.944) ; v1(56.515,58.547) C50.1@56.515,59.941 ; v1@60.198,58.801 C49.1@60.198,59.938 ; C20.2@73.533,58.027 73.533,59.706 73.558,59.731 U4.4@73.594,59.731 ; v1(100.584,45.593) 100.603,45.574 100.603,44.549 100.965,44.187 ; v1(122.301,30.988) 122.328,30.988 122.385,30.931 C6.2@125.984,30.931 ; 125.095,27.686 125.165,27.616 C7.2@128.524,27.616 ; 125.857,32.512 125.984,32.385 C6.2@125.984,30.931 ; v1(125.984,29.337) C6.2@125.984,30.931 ; C7.2@128.524,26.797 C7.2@128.524,27.616 ; 128.524,29.337 C7.2@128.524,27.616 ; 129.54,30.861 129.47,30.931 C6.2@125.984,30.931 ; 131.826,27.559 131.769,27.616 C7.2@128.524,27.616
  Top Layer w0.75: C22.1@73.406,63.893 C22.1@73.418,63.881
  Top Layer w1: 115.189,30.607 D2.2@116.586,30.607 ; 116.522,29.474 116.522,30.543 D2.2@116.586,30.607 ; 116.586,32.512 D2.2@116.586,30.607 ; 118.745,30.607 D2.2@116.586,30.607 ; 131.445,30.988 J2.1@136.398,30.988 ; 136.271,35.433 136.398,35.306 J2.1@136.398,30.988 ; 136.398,27.178 J2.1@136.398,30.988 ; 140.462,30.988 J2.1@136.398,30.988
  Bottom Layer w0.2: v1(66.548,48.133) 66.548,47.117 69.088,44.577 101.092,44.577 104.775,48.26 113.538,48.26 115.57,46.228 118.11,46.228 128.505,35.833 128.505,30.372 v1(129.54,29.337)
  other v1: 122.936,27.051 124.206,28.067 129.794,31.115 27.838,42.711 33.838,42.711 36.838,42.711 39.838,42.711 42.838,42.711 45.838,42.711 48.838,42.711 51.838,42.711 84.838,42.711 87.838,42.711 105.838,42.711 111.838,42.711 114.838,42.711 117.838,42.711 120.838,42.711 123.838,42.711 126.838,42.711 129.838,42.711 30.734,43.18 100.584,43.815 44.704,44.196 46.101,44.196 47.625,44.196 29.464,44.323 50.673,44.323 102.235,44.704 32.886,45.096 49.657,45.212 30.607,45.466 103.378,45.593 27.838,45.711 84.838,45.711 87.838,45.711 90.838,45.711 93.838,45.711 105.283,45.72 108.838,45.711 114.838,45.711 120.838,45.711 123.838,45.711 126.838,45.711 129.838,45.711 47.625,46.228 28.956,46.482 45.593,46.482 50.219,46.482 31.242,46.736 44.723,47.752 49.149,47.752 37.056,47.923 27.838,48.711 33.838,48.711 36.838,48.711 45.838,48.711 48.838,48.711 84.838,48.711 87.838,48.711 90.838,48.711 93.838,48.711 96.838,48.711 99.838,48.711 102.838,48.711 114.838,48.711 117.838,48.711 120.838,48.711 123.838,48.711 126.838,48.711 129.838,48.711 28.575,48.768 41.818,48.803 38.326,49.447 53.086,49.53 105.41,49.53 39.688,49.813 107.95,49.911 90.932,50.165 37.056,51.098 103.759,51.181 89.789,51.416 51.838,51.711 84.838,51.711 87.838,51.711 99.838,51.711 102.838,51.711 105.838,51.711 108.838,51.711 111.838,51.711 114.838,51.711 117.838,51.711 120.838,51.711 123.838,51.711 126.838,51.711 129.838,51.711 103.886,52.451 36.322,52.705 38.1,52.705 92.583,53.086 107.442,53.086 34.29,53.34 90.932,53.594 84.201,53.721 32.512,53.975 40.005,53.975 41.529,53.975 38.1,53.988 90.932,54.61 96.838,54.711 99.838,54.711 105.838,54.711 108.838,54.711 111.838,54.711 114.838,54.711 117.838,54.711 120.838,54.711 123.838,54.711 126.838,54.711 129.838,54.711 102.4,54.737 104.434,54.92 86.32,55.255 54.991,55.499 83.693,55.88 42.545,56.007 53.912,56.036 56.198,56.163 99.587,56.271 104.167,56.398 45.403,56.994 94.615,57.15 42.672,57.258 27.838,57.711 57.838,57.711 63.838,57.711 69.838,57.711 84.838,57.711 96.838,57.711 99.838,57.711 102.838,57.711 105.838,57.711 108.838,57.711 111.838,57.711 114.838,57.711 117.838,57.711 120.838,57.711 123.838,57.711 126.838,57.711 129.838,57.711 88.098,57.829 86.133,58.049 38.1,58.312 44.577,58.42 60.071,58.547 98.833,58.684 70.612,58.801 72.556,58.9 74.461,58.9 63.119,58.928 84.074,58.928 103.886,59.055 53.721,59.182 40.767,59.309 44.069,59.309 64.262,59.69 58.42,59.944 54.68,60.128 52.705,60.198 38.565,60.579 27.838,60.711 45.838,60.711 66.838,60.711 102.838,60.711 105.838,60.711 108.838,60.711 111.838,60.711 114.838,60.711 117.838,60.711 120.838,60.711 123.838,60.711 126.838,60.711 129.838,60.711 37.084,61.214 40.132,61.341 30.156,61.595 81.28,61.722 79.393,62.516 74.93,63.284 29.972,63.373 78.838,63.711 93.838,63.711 96.838,63.711 99.838,63.711 102.838,63.711 105.838,63.711 108.838,63.711 111.838,63.711 114.838,63.711 117.838,63.711 120.838,63.711 123.838,63.711 126.838,63.711 129.838,63.711 81.534,63.747 74.422,63.881 87.627,64.349 78.885,64.675 76.308,64.709 28.956,64.77 76.726,65.945 80.899,66.04 87.627,66.254 79.393,66.453 33.838,66.711 36.838,66.711 66.838,66.711 72.838,66.711 93.838,66.711 96.838,66.711 99.838,66.711 102.838,66.711 105.838,66.711 108.838,66.711 111.838,66.711 114.838,66.711 117.838,66.711 120.838,66.711 123.838,66.711 126.838,66.711 129.838,66.711 80.137,67.183 76.599,67.342 66.802,67.945 87.5,68.159 84.96,69.429 68.199,69.469 81.023,69.556 78.867,69.596 66.838,69.711 90.838,69.711 93.838,69.711 96.838,69.711 99.838,69.711 102.838,69.711 105.838,69.711 108.838,69.711 111.838,69.711 114.838,69.711 117.838,69.711 120.838,69.711 123.838,69.711 129.838,69.711 66.838,72.711 69.838,72.711 72.838,72.711 75.838,72.711 78.838,72.711 81.838,72.711 84.838,72.711 87.838,72.711 90.838,72.711 93.838,72.711 96.838,72.711 102.838,72.711 105.838,72.711 108.838,72.711 111.838,72.711 114.838,72.711 117.838,72.711 120.838,72.711 123.838,72.711 129.838,72.711
FB: C47.1 R71.1 R75.2 U13.2 | length 6.2
  Top Layer w0.2: U13.2@33.253,61.575 33.253,60.817 33.589,60.481 R71.1@33.589,59.223 C47.1@33.589,57.445 33.652,57.381 33.652,55.603 R75.2@33.716,55.54
FB_12: C40.1 R58.1 R64.2 U12.2 | length 7.6
  Top Layer w0.2: U12.2@20.459,53.586 U12.2@20.517,53.528 R64.2@24.511,53.528 ; R64.2@24.638,53.582 26.392,53.582 C40.1@26.416,53.606 ; C40.1@26.416,53.594 R58.1@28.182,53.594
Gate: D4.A D5.K pad.2@98.425,34.925 Q1.1 R6.1 R7.2 | length 12.7
  Top Layer w0.5: R7.2@93.571,34.671 D5.K@93.571,36.576 93.579,36.584 93.579,38.6 R6.1@93.587,38.608 ; R7.2@93.587,34.798 96.105,34.798 D4.A@96.266,34.959 ; D4.A@96.266,34.832 96.312,34.879 98.379,34.879 pad.2@98.425,34.925 98.425,32.385 98.171,32.131 97.409,32.131 Q1.1@97.282,32.004